# KiCad board KlusterLab r2.0.kicad_pcb (continued)
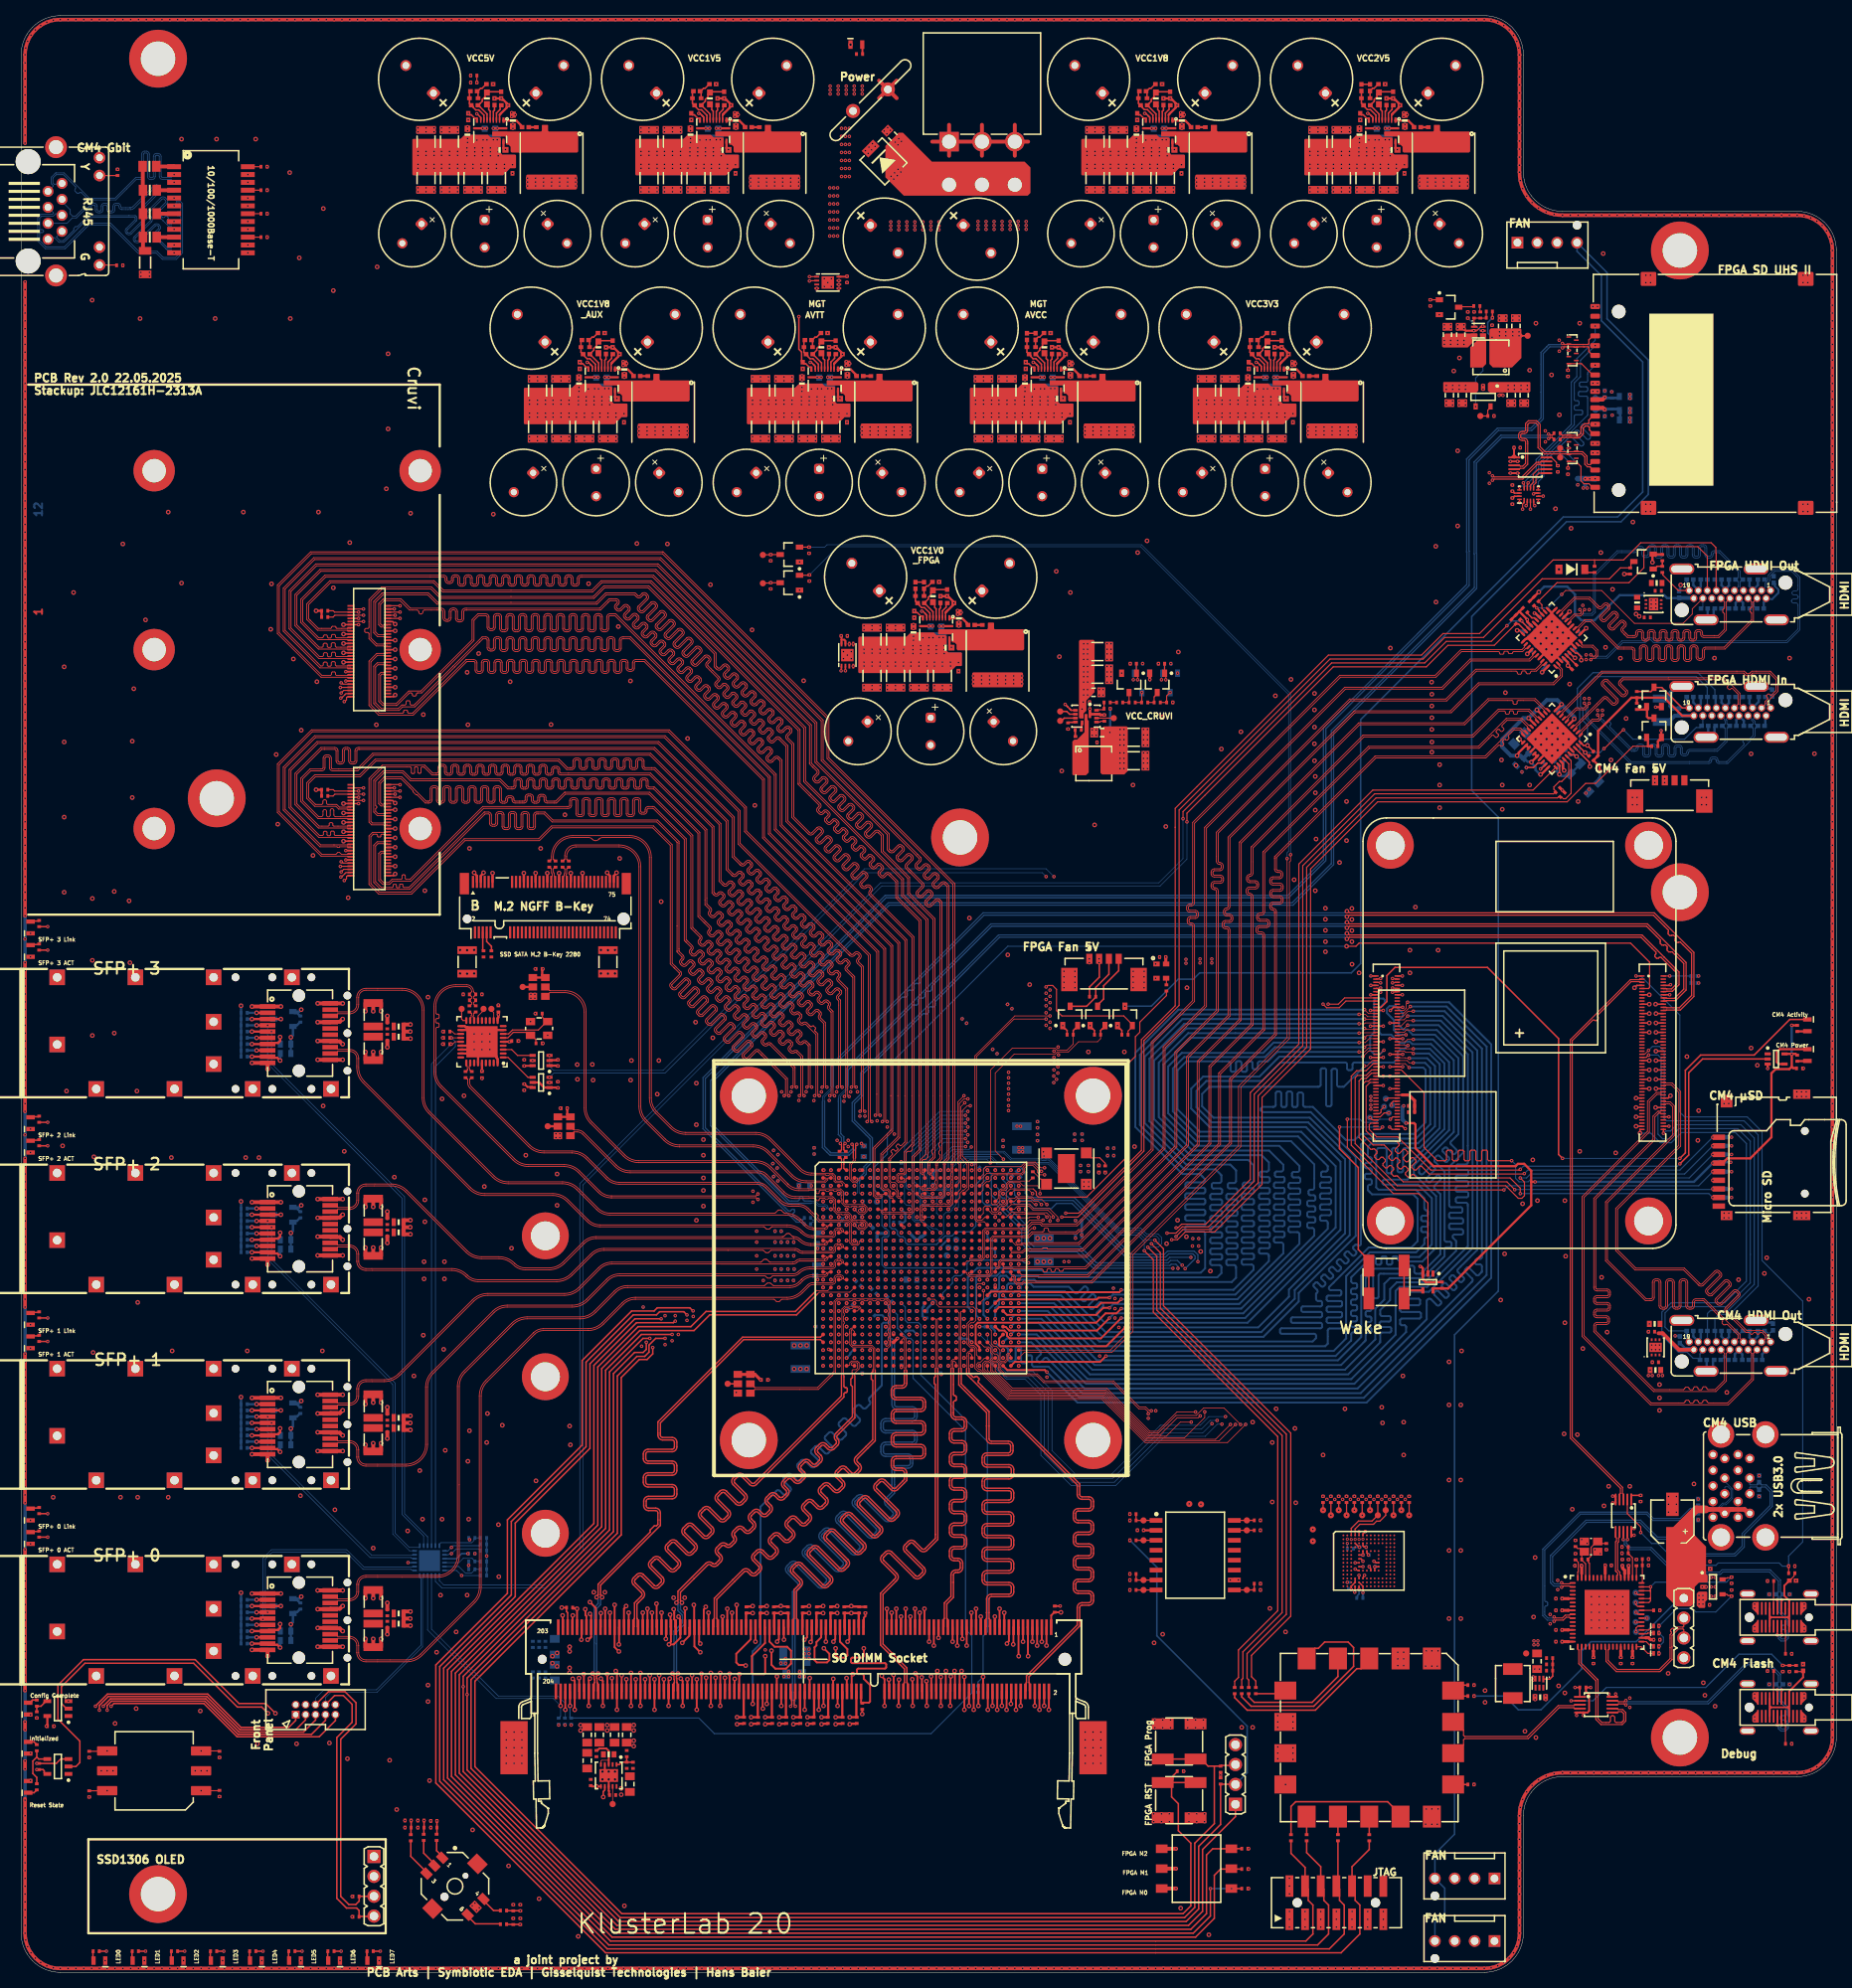
[diagram p0: board, top side]
## Routing (per net, layer and track width the routed paths; a pad name or vN(x,y) marks a point on that pad's centre or on a via; arc(x,y) is an arc through that point) (continued)
CM4_GPIO08: length 121.7
  L1 Top w0.1: v1(171.7,119.4) 172,119.7 J7.39
  L1 Top w0.249: U1.W24 126,84 137.4,84 138.3,84.9 v1(139.1,84.9)
  L12 Bottom w0.249: v1(171.7,119.4) 155.2,119.4 149.41,119.4 146,115.99 146,109.51 149.91,105.6 160.8,105.6 163.38,103.02 163.38,102.51 arc(163.3,102.33) 163.13,102.26 162.63,102.26 arc(162.48,102.2) 162.42,102.05 162.42,101.77 arc(162.48,101.62) 162.63,101.56 163.28,101.56 arc(163.43,101.5) 163.49,101.35 163.49,101.07 arc(163.43,100.93) 163.28,100.86 162.2,100.86 arc(162.05,100.8) 161.99,100.65 161.99,100.37 arc(162.05,100.23) 162.2,100.16 163.28,100.16 arc(163.43,100.1) 163.49,99.95 163.49,99.68 arc(163.43,99.53) 163.28,99.47 162.2,99.47 arc(162.05,99.4) 161.99,99.26 161.99,98.98 arc(162.05,98.83) 162.2,98.77 163.28,98.77 arc(163.43,98.71) 163.49,98.56 163.49,98.28 arc(163.43,98.13) 163.28,98.07 162.2,98.07 arc(162.05,98.01) 161.99,97.86 161.99,97.58 arc(162.05,97.43) 162.2,97.37 163.28,97.37 arc(163.43,97.31) 163.49,97.16 163.49,96.88 arc(163.43,96.73) 163.28,96.67 162.2,96.67 arc(162.05,96.61) 161.99,96.46 161.99,96.18 arc(162.05,96.03) 162.2,95.97 163.28,95.97 arc(163.43,95.91) 163.49,95.76 163.49,95.48 arc(163.43,95.33) 163.28,95.27 162.2,95.27 arc(162.05,95.21) 161.99,95.06 161.99,94.78 arc(162.05,94.63) 162.2,94.57 163.13,94.57 arc(163.3,94.5) 163.38,94.32 163.38,93.08 155.69,85.4 139.6,85.4 v1(139.1,84.9)
CM4_GPIO09: length 120
  L1 Top w0.1: v1(177,119.79) 176.99,119.8 176.48,119.8 176.38,119.7 J7.40
  L12 Bottom w0.249: v1(127.5,83.5) 130.4,83.5 136.9,77 169.2,77 173.07,80.87 173.07,84.8 174.22,85.94 174.22,87.96 174.95,88.69 179.12,88.69 181.93,91.5 181.93,92.4 arc(182,92.57) 182.17,92.64 182.62,92.64 arc(182.76,92.71) 182.83,92.85 182.83,93.13 arc(182.76,93.28) 182.62,93.34 182.17,93.34 arc(182,93.42) 181.93,93.59 181.93,94.3 181.93,102.33 180.65,103.6 180.65,104.05 180.91,104.32 arc(181.09,104.39) 181.27,104.32 181.98,103.6 arc(182.13,103.54) 182.28,103.6 182.47,103.8 arc(182.54,103.95) 182.47,104.1 181.71,104.86 arc(181.65,105) 181.71,105.15 181.91,105.35 arc(182.06,105.41) 182.21,105.35 182.97,104.59 arc(183.12,104.53) 183.26,104.59 183.46,104.79 arc(183.52,104.94) 183.46,105.09 182.75,105.8 arc(182.68,105.97) 182.75,106.15 183.7,107.1 183.7,116.79 180.69,119.8 177.86,119.8 177.2,120.47 176.64,120.47 176.1,121.01 176.1,121.68 176.61,122.19 176.61,122.53 175.68,123.46 174.89,123.46 174.55,123.12 174.55,122.58 175.46,121.66 175.46,120.39 176.05,119.79 176.99,119.79
CM4_GPIO10: length 121.5
  L1 Top w0.1: J7.44 176.9,118.9 177.2,119.2 v1(177.93,119.2)
  L12 Bottom w0.249: v1(126.5,83.5) 127,84 130.8,84 137.2,77.6 168.7,77.6 171.84,80.74 171.84,81.45 arc(171.92,81.62) 172.09,81.7 172.36,81.7 arc(172.51,81.76) 172.57,81.9 172.57,82.18 arc(172.51,82.33) 172.36,82.39 172.04,82.39 arc(171.89,82.46) 171.83,82.6 171.83,82.88 arc(171.89,83.03) 172.04,83.09 172.36,83.09 arc(172.51,83.15) 172.57,83.3 172.57,83.58 arc(172.51,83.73) 172.36,83.79 172.04,83.79 arc(171.89,83.85) 171.83,84 171.83,84.28 arc(171.89,84.43) 172.04,84.49 172.36,84.49 arc(172.51,84.55) 172.57,84.7 172.57,84.98 arc(172.51,85.13) 172.36,85.19 172.09,85.19 arc(171.92,85.26) 171.84,85.44 171.84,88.72 172.39,89.26 172.54,89.26 arc(172.71,89.19) 172.79,89.01 172.79,86.33 arc(172.85,86.18) 173,86.12 173.28,86.12 arc(173.42,86.18) 173.49,86.33 173.49,89.01 arc(173.56,89.19) 173.73,89.26 177.11,89.26 arc(177.29,89.34) 177.36,89.51 177.36,90.08 arc(177.42,90.22) 177.57,90.29 177.85,90.29 arc(178,90.22) 178.06,90.08 178.06,89.51 arc(178.13,89.34) 178.31,89.26 178.9,89.26 181.39,91.75 181.39,99.44 180.65,100.17 arc(180.58,100.35) 180.65,100.52 181.43,101.3 arc(181.49,101.45) 181.43,101.59 181.23,101.79 arc(181.08,101.85) 180.93,101.79 180.12,100.98 arc(179.97,100.92) 179.82,100.98 179.63,101.18 arc(179.56,101.32) 179.63,101.47 180.67,102.52 arc(180.73,102.67) 180.67,102.82 180.47,103.01 arc(180.33,103.08) 180.18,103.01 179.17,102 arc(178.99,101.93) 178.82,102 178.67,102.15 178.67,102.93 183.1,107.36 183.1,116.54 180.44,119.2 177.93,119.2
CM4_GPIO11: length 119.3
  L1 Top w0.1: J7.38 176.75,120.1 177.05,120.4 v1(177.93,120.4)
  L12 Bottom w0.249: 173.7,84.6 173.7,84.1 arc(173.77,83.92) 173.95,83.85 174.83,83.85 arc(174.98,83.79) 175.04,83.64 175.04,83.36 arc(174.98,83.21) 174.83,83.15 173.82,83.15 arc(173.67,83.09) 173.61,82.94 173.61,82.66 arc(173.67,82.51) 173.82,82.45 174.91,82.45 arc(175.05,82.39) 175.12,82.24 175.12,81.96 arc(175.05,81.81) 174.91,81.75 173.95,81.75 arc(173.77,81.68) 173.7,81.5 173.7,80.5 169.6,76.4 136.6,76.4 130,83 127,83 v1(126.5,82.5) ; 173.7,84.62 174.97,85.88 174.97,87.3 175.83,88.16 179.38,88.16 183.4,92.18 183.4,93.45 183.02,93.84 arc(182.96,94.11) 183.19,94.26 184.09,94.26 arc(184.23,94.32) 184.3,94.47 184.3,94.75 arc(184.23,94.9) 184.09,94.96 182.72,94.96 arc(182.57,95.02) 182.51,95.17 182.51,95.45 arc(182.57,95.6) 182.72,95.66 184.09,95.66 arc(184.23,95.72) 184.3,95.87 184.3,96.15 arc(184.23,96.3) 184.09,96.36 182.72,96.36 arc(182.57,96.42) 182.51,96.57 182.51,96.85 arc(182.57,96.99) 182.72,97.06 184,97.06 arc(184.15,97.12) 184.21,97.27 184.21,97.55 arc(184.15,97.69) 184,97.76 182.77,97.76 arc(182.59,97.83) 182.52,98 182.52,102.93 184.3,104.71 184.3,117.04 180.94,120.4 177.93,120.4
CM4_GPIO12: length 125
  L1 Top w0.1: J7.31 171.8,121.3 171.7,121.2 v1(171,121.2)
  L1 Top w0.249: U1.U22 123.97,86.97 127.7,86.97 127.77,86.9 140.35,86.9 140.6,87.15 v1(140.6,87.2)
  L12 Bottom w0.249: v1(171,121.2) 155.2,121.2 148.66,121.2 144.2,116.74 144.2,108.76 149.16,103.8 156.83,103.8 157.51,103.11 157.51,101.15 arc(157.44,100.98) 157.26,100.91 156.34,100.91 arc(156.2,100.84) 156.13,100.7 156.13,100.42 arc(156.2,100.27) 156.34,100.21 157.36,100.21 arc(157.51,100.15) 157.57,100 157.57,99.72 arc(157.51,99.57) 157.36,99.51 156.22,99.51 arc(156.07,99.45) 156.01,99.3 156.01,99.02 arc(156.07,98.87) 156.22,98.81 157.36,98.81 arc(157.51,98.75) 157.57,98.6 157.57,98.32 arc(157.51,98.17) 157.36,98.11 156.22,98.11 arc(156.07,98.05) 156.01,97.9 156.01,97.62 arc(156.07,97.47) 156.22,97.41 157.36,97.41 arc(157.51,97.35) 157.57,97.2 157.57,96.92 arc(157.51,96.77) 157.36,96.71 156.22,96.71 arc(156.07,96.65) 156.01,96.5 156.01,96.22 arc(156.07,96.07) 156.22,96.01 157.36,96.01 arc(157.51,95.95) 157.57,95.8 157.57,95.52 arc(157.51,95.37) 157.36,95.31 156.22,95.31 arc(156.07,95.25) 156.01,95.1 156.01,94.82 arc(156.07,94.68) 156.22,94.61 157.36,94.61 arc(157.51,94.55) 157.57,94.4 157.57,94.13 arc(157.51,93.98) 157.36,93.92 156.22,93.92 arc(156.07,93.85) 156.01,93.71 156.01,93.43 arc(156.07,93.28) 156.22,93.22 157.36,93.22 arc(157.51,93.16) 157.57,93.01 157.57,92.73 arc(157.51,92.58) 157.36,92.52 156.22,92.52 arc(156.07,92.46) 156.01,92.31 156.01,92.03 arc(156.07,91.88) 156.22,91.82 157.36,91.82 arc(157.51,91.76) 157.57,91.61 157.57,91.33 arc(157.51,91.18) 157.36,91.12 156.22,91.12 arc(156.07,91.06) 156.01,90.91 156.01,90.63 arc(156.07,90.48) 156.22,90.42 157.26,90.42 arc(157.44,90.35) 157.51,90.17 157.51,89.77 154.95,87.2 v1(140.6,87.2)
CM4_GPIO13: length 116.2
  L1 Top w0.1: J7.28 176.57,122.1 177.27,122.8 v1(177.93,122.8)
  L12 Bottom w0.249: 177.93,122.8 181.93,122.8 186.7,118.03 186.7,91.39 arc(186.63,91.21) 186.45,91.14 186.06,91.14 arc(185.91,91.08) 185.85,90.93 185.85,90.65 arc(185.91,90.5) 186.06,90.44 186.45,90.44 arc(186.63,90.37) 186.7,90.19 186.7,89.5 186.31,89.11 arc(186.13,89.04) 185.96,89.11 185.06,90.01 arc(184.91,90.07) 184.76,90.01 184.56,89.81 arc(184.5,89.67) 184.56,89.52 185.46,88.62 arc(185.54,88.44) 185.46,88.26 185.38,88.18 171.2,74 135.6,74 131.14,78.46 arc(130.97,78.53) 130.79,78.46 130.33,77.99 arc(130.18,77.93) 130.03,77.99 129.83,78.19 arc(129.77,78.34) 129.83,78.49 130.3,78.95 arc(130.37,79.13) 130.3,79.3 129.1,80.5 v1(127.5,80.5)
CM4_GPIO14: length 122
  L1 Top w0.1: J7.55 172.7,116.5 172.02,115.82 171.72,115.82 v1(171.7,115.8)
  L12 Bottom w0.249: v1(126.5,86.5) 127,87 133.4,87 138.6,81.8 158.5,81.8 162.78,86.07 162.78,87.16 169.81,94.19 169.81,104.09 164.7,109.2 152.4,109.2 150.94,110.66 150.94,112.23 151.86,113.15 165.84,113.15 arc(166.01,113.22) 166.09,113.4 166.09,115.3 arc(166.15,115.45) 166.3,115.51 166.58,115.51 arc(166.72,115.45) 166.79,115.3 166.79,110.87 arc(166.85,110.72) 166.99,110.66 167.27,110.66 arc(167.42,110.72) 167.48,110.87 167.48,115.23 arc(167.55,115.38) 167.69,115.44 167.97,115.44 arc(168.12,115.38) 168.18,115.23 168.18,113.4 arc(168.26,113.22) 168.43,113.15 169.05,113.15 v1(171.7,115.8)
CM4_GPIO15: length 119.9
  L1 Top w0.1: v1(174.18,117.82) 173.65,117.3 J7.51
  L12 Bottom w0.249: v1(127.5,84.5) 131.2,84.5 137.5,78.2 168.3,78.2 171.28,81.18 171.28,89.01 172.17,89.91 176.32,89.91 177.22,90.81 179.08,90.81 180.84,92.57 180.84,99.18 178,102.03 178,103.11 182.5,107.61 182.5,116.29 180.19,118.6 177.8,118.6 177.48,118.93 176.98,118.93 176.78,118.73 176.17,118.73 175.09,119.81 173.85,119.81 173.6,120.06 173.6,123.2 174.28,123.88 174.28,124.25 174.12,124.41 173.12,124.41 172.92,124.22 172.92,120.06 172.41,119.55 172.41,117.84 172.95,117.3 173.65,117.3 v1(174.18,117.82)
CM4_GPIO16: length 124.8
  L1 Top w0.1: 173.1,121.75 J7.29 ; 173.1,121.75 173.15,121.75 ; 173.1,121.75 171.75,121.75 v1(171.7,121.8)
  L12 Bottom w0.249: v1(171.7,121.8) 148.41,121.8 143.6,116.99 143.6,108.51 148.91,103.2 154.55,103.2 155.28,102.48 155.28,101.1 arc(155.2,100.93) 155.03,100.85 154.44,100.85 arc(154.29,100.79) 154.23,100.64 154.23,100.36 arc(154.29,100.22) 154.44,100.15 155.24,100.15 arc(155.39,100.09) 155.45,99.94 155.45,99.66 arc(155.39,99.52) 155.24,99.45 154.24,99.45 arc(154.1,99.39) 154.03,99.25 154.03,98.97 arc(154.1,98.82) 154.24,98.76 155.24,98.76 arc(155.39,98.69) 155.45,98.55 155.45,98.27 arc(155.39,98.12) 155.24,98.06 154.24,98.06 arc(154.1,98) 154.03,97.85 154.03,97.57 arc(154.1,97.42) 154.24,97.36 155.24,97.36 arc(155.39,97.3) 155.45,97.15 155.45,96.87 arc(155.39,96.72) 155.24,96.66 154.24,96.66 arc(154.1,96.6) 154.03,96.45 154.03,96.17 arc(154.1,96.02) 154.24,95.96 155.24,95.96 arc(155.39,95.9) 155.45,95.75 155.45,95.47 arc(155.39,95.32) 155.24,95.26 154.24,95.26 arc(154.1,95.2) 154.03,95.05 154.03,94.77 arc(154.1,94.62) 154.24,94.56 155.24,94.56 arc(155.39,94.5) 155.45,94.35 155.45,94.07 arc(155.39,93.92) 155.24,93.86 154.24,93.86 arc(154.1,93.8) 154.03,93.65 154.03,93.37 arc(154.1,93.23) 154.24,93.16 155.24,93.16 arc(155.39,93.1) 155.45,92.95 155.45,92.67 arc(155.39,92.53) 155.24,92.46 154.24,92.46 arc(154.1,92.4) 154.03,92.26 154.03,91.98 arc(154.1,91.83) 154.24,91.77 155.24,91.77 arc(155.39,91.7) 155.45,91.56 155.45,91.28 arc(155.39,91.13) 155.24,91.07 154.24,91.07 arc(154.1,91.01) 154.03,90.86 154.03,90.58 arc(154.1,90.43) 154.24,90.37 155.03,90.37 arc(155.2,90.29) 155.28,90.12 155.28,88.75 154.73,88.2 129.8,88.2 129.5,88.5 126.4,88.5 125.9,89 125.2,89 125,88.8 125,87.4 124.7,87.1 124,87.1 123.8,86.9 123.8,86.4 123.5,86.1 123.3,86.1 123,85.8 123,84 v1(123.5,83.5)
CM4_GPIO17: length 121.8
  L1 Top w0.1: J7.50 176.8,117.7 176.95,117.55 177.7,117.55 177.85,117.4 v1(177.93,117.4)
  L12 Bottom w0.249: 177.93,117.4 179.94,117.4 181.3,116.05 181.3,107.85 178.77,105.32 176.86,105.32 arc(176.69,105.25) 176.62,105.07 176.62,102.43 arc(176.55,102.28) 176.41,102.22 176.13,102.22 arc(175.98,102.28) 175.92,102.43 175.92,105.12 arc(175.85,105.27) 175.71,105.33 175.43,105.33 arc(175.28,105.27) 175.22,105.12 175.22,102.3 arc(175.16,102.15) 175.01,102.09 174.73,102.09 arc(174.58,102.15) 174.52,102.3 174.52,105.07 arc(174.45,105.25) 174.27,105.32 173.46,105.32 173.19,105.05 173.19,100.29 173.48,100 178.25,100 179.34,98.91 179.34,97.62 arc(179.41,97.45) 179.59,97.37 arc(179.74,97.31) 179.8,97.16 179.8,96.88 arc(179.74,96.74) 179.59,96.67 179.15,96.67 arc(179,96.61) 178.94,96.46 178.94,96.19 arc(179,96.04) 179.15,95.98 179.59,95.98 arc(179.74,95.91) 179.8,95.77 179.8,95.49 arc(179.74,95.34) 179.59,95.28 179.15,95.28 arc(179,95.21) 178.94,95.07 178.94,94.79 arc(179,94.64) 179.15,94.58 179.59,94.58 arc(179.74,94.52) 179.8,94.37 179.8,94.09 arc(179.74,93.94) 179.59,93.88 arc(179.41,93.81) 179.34,93.63 179.34,93.05 178.29,92 172.39,92 169.35,88.96 169.35,81 167.75,79.4 137.2,79.4 131.6,85 127,85 v1(126.5,84.5)
CM4_GPIO18: length 121.7
  L1 Top w0.1: J7.49 172.2,117.7 v1(171.5,117)
  L12 Bottom w0.249: v1(171.5,117) 160.82,117 158.26,114.44 151.07,114.44 149.54,112.91 149.54,110.37 151.9,108 164.2,108 168.61,103.59 168.61,94.86 156.75,83 138.5,83 137.51,83.99 arc(137.44,84.16) 137.51,84.34 138.25,85.08 arc(138.31,85.23) 138.25,85.38 138.05,85.57 arc(137.91,85.63) 137.76,85.57 136.99,84.8 arc(136.84,84.74) 136.69,84.8 136.49,85 arc(136.43,85.15) 136.49,85.3 137.3,86.11 arc(137.36,86.25) 137.3,86.4 137.1,86.6 arc(136.96,86.66) 136.81,86.6 136,85.79 arc(135.85,85.73) 135.7,85.79 135.5,85.99 arc(135.44,86.14) 135.5,86.28 136.31,87.09 arc(136.38,87.24) 136.31,87.39 136.12,87.59 arc(135.97,87.65) 135.82,87.59 135.04,86.81 arc(134.87,86.74) 134.69,86.81 133.9,87.6 129.4,87.6 129,88 126.2,88 126,87.8 126,87.3 125.7,87 125.3,87 125,86.7 125,85.38 124.5,84.88 v1(124.5,83.5)
CM4_GPIO19: length 121.5
  L1 Top w0.1: J7.26 176.65,122.5 177.55,123.4
  L12 Bottom w0.249: v1(177.55,123.4) 177.55,123.4 182.18,123.4 187.3,118.28 187.3,89.1 171.6,73.4 135.3,73.4 131.31,77.39 129.45,77.39 arc(129.28,77.46) 129.2,77.64 129.2,78.63 arc(129.14,78.78) 128.99,78.84 128.71,78.84 arc(128.57,78.78) 128.5,78.63 128.5,78.04 arc(128.44,77.89) 128.29,77.83 128.01,77.83 arc(127.87,77.89) 127.81,78.04 127.81,79.72 arc(127.74,79.87) 127.6,79.93 127.32,79.93 arc(127.17,79.87) 127.11,79.72 127.11,78.32 arc(127.03,78.14) 126.86,78.07 126.33,78.07 126.15,78.26 126.15,79.63 125.78,80 125,80 v1(124.5,80.5)
CM4_GPIO20: length 125.5
  L1 Top w0.1: J7.27 173.15,122.1 172.1,122.1 171.8,122.4 v1(171,122.4)
  L12 Bottom w0.249: v1(122.5,83.5) 122.05,83.95 122.05,88.85 122.2,89 124.71,89 125.21,89.5 126.2,89.5 126.7,89 129.9,89 130.1,88.8 152.88,88.8 153.4,89.33 153.4,90.12 arc(153.33,90.3) 153.15,90.37 152.19,90.37 arc(152.04,90.43) 151.98,90.58 151.98,90.86 arc(152.04,91.01) 152.19,91.07 153.29,91.07 arc(153.44,91.13) 153.5,91.28 153.5,91.56 arc(153.44,91.71) 153.29,91.77 152.19,91.77 arc(152.04,91.83) 151.98,91.98 151.98,92.26 arc(152.04,92.4) 152.19,92.47 153.29,92.47 arc(153.44,92.53) 153.5,92.68 153.5,92.95 arc(153.44,93.1) 153.29,93.16 152.19,93.16 arc(152.04,93.23) 151.98,93.37 151.98,93.65 arc(152.04,93.8) 152.19,93.86 153.29,93.86 arc(153.44,93.92) 153.5,94.07 153.5,94.35 arc(153.44,94.5) 153.29,94.56 152.19,94.56 arc(152.04,94.62) 151.98,94.77 151.98,95.05 arc(152.04,95.2) 152.19,95.26 153.29,95.26 arc(153.44,95.32) 153.5,95.47 153.5,95.75 arc(153.44,95.9) 153.29,95.96 152.19,95.96 arc(152.04,96.02) 151.98,96.17 151.98,96.45 arc(152.04,96.6) 152.19,96.66 153.29,96.66 arc(153.44,96.72) 153.5,96.87 153.5,97.15 arc(153.44,97.3) 153.29,97.36 152.19,97.36 arc(152.04,97.42) 151.98,97.57 151.98,97.85 arc(152.04,98) 152.19,98.06 153.29,98.06 arc(153.44,98.12) 153.5,98.27 153.5,98.55 arc(153.44,98.69) 153.29,98.76 152.19,98.76 arc(152.04,98.82) 151.98,98.97 151.98,99.25 arc(152.04,99.39) 152.19,99.46 153.29,99.46 arc(153.44,99.52) 153.5,99.67 153.5,99.94 arc(153.44,100.09) 153.29,100.15 152.39,100.15 arc(152.24,100.22) 152.18,100.36 152.18,100.64 arc(152.24,100.79) 152.39,100.85 153.15,100.85 arc(153.33,100.93) 153.4,101.1 153.4,101.85 152.65,102.6 148.67,102.6 143,108.27 143,117.23 148.17,122.4 155.2,122.4 v1(171,122.4)
CM4_GPIO21: length 125.2
  L1 Top w0.1: J7.25 172.2,122.5 v1(171.7,123)
  L12 Bottom w0.249: v1(121.5,84.5) 121,85 121,88.8 122.2,90 126.65,90 126.95,89.7 130.5,89.7 130.8,89.4 150.78,89.4 151.32,89.94 151.32,94.39 arc(151.25,94.57) 151.07,94.64 149,94.64 arc(148.85,94.7) 148.79,94.85 148.79,95.13 arc(148.85,95.28) 149,95.34 151.14,95.34 arc(151.28,95.4) 151.34,95.55 151.34,95.83 arc(151.28,95.98) 151.14,96.04 149,96.04 arc(148.85,96.1) 148.79,96.25 148.79,96.53 arc(148.85,96.68) 149,96.74 151.14,96.74 arc(151.28,96.8) 151.34,96.95 151.34,97.23 arc(151.28,97.38) 151.14,97.44 149,97.44 arc(148.85,97.5) 148.79,97.65 148.79,97.93 arc(148.85,98.07) 149,98.14 151.14,98.14 arc(151.28,98.2) 151.34,98.35 151.34,98.62 arc(151.28,98.77) 151.14,98.83 149,98.83 arc(148.85,98.9) 148.79,99.04 148.79,99.32 arc(148.85,99.47) 149,99.53 151.14,99.53 arc(151.28,99.6) 151.34,99.74 151.34,100.02 arc(151.28,100.17) 151.14,100.23 149.02,100.23 arc(148.87,100.29) 148.81,100.44 148.81,100.72 arc(148.87,100.87) 149.02,100.93 151.07,100.93 arc(151.25,101) 151.32,101.18 151.32,101.33 150.65,102 148.42,102 142.4,108.02 142.4,117.48 147.92,123 v1(171.7,123)
CM4_GPIO22: length 118.5
  L1 Top w0.1: v1(177.24,118.42) 176.89,118.42 176.81,118.5 J7.46
  L1 Top w0.249: U1.AB24 125,81 125,80.15 125.15,80 138.7,80 v1(141.1,82.4)
  L12 Bottom w0.249: v1(177.24,118.42) 176.79,117.98 176.33,117.98 175.93,117.58 175.93,116.75 175.43,116.25 170.41,116.25 arc(170.23,116.18) 170.16,116 170.16,115.48 arc(170.1,115.34) 169.95,115.27 169.67,115.27 arc(169.52,115.34) 169.46,115.48 169.46,116 arc(169.39,116.18) 169.21,116.25 160.95,116.25 158.6,113.89 151.49,113.89 150.23,112.63 150.23,110.52 152.15,108.6 164.5,108.6 169.21,103.89 169.21,94.42 162.04,87.25 162.04,86.34 158.1,82.4 v1(141.1,82.4)
CM4_GPIO23: length 119.1
  L1 Top w0.1: J7.47 172.2,118.1 171.7,117.6 v1(171,117.6)
  L1 Top w0.249: U1.AA23 125,82 125.67,82 126,81.67 126,81.33 126.33,81 138,81 v1(140.6,83.6)
  L12 Bottom w0.249: v1(171,117.6) 160.53,117.6 159.33,116.4 158.31,116.4 arc(158.14,116.33) 158.07,116.15 158.07,115.6 arc(158,115.45) 157.86,115.39 157.58,115.39 arc(157.43,115.45) 157.37,115.6 157.37,116.2 arc(157.31,116.35) 157.16,116.41 156.88,116.41 arc(156.73,116.35) 156.67,116.2 156.67,115.28 arc(156.61,115.13) 156.46,115.07 156.18,115.07 arc(156.03,115.13) 155.97,115.28 155.97,116.2 arc(155.91,116.35) 155.76,116.41 155.48,116.41 arc(155.33,116.35) 155.27,116.2 155.27,115.28 arc(155.21,115.13) 155.06,115.07 154.78,115.07 arc(154.63,115.13) 154.57,115.28 154.57,116.15 arc(154.5,116.33) 154.32,116.4 148.95,116.4 147.8,115.25 147.8,110.25 150.65,107.4 163.6,107.4 168,103 168,95.16 156.44,83.6 v1(140.6,83.6)
CM4_GPIO24: length 121.6
  L1 Top w0.1: v1(171.7,118.2) 172,118.5 J7.45
  L1 Top w0.249: v1(139.1,83.6) 137.5,82 126.3,82 125.85,82.45 125.55,82.45 U1.AA24
  L12 Bottom w0.249: v1(171.7,118.2) 160.23,118.2 158.98,116.95 148.66,116.95 147.2,115.49 147.2,110.01 150.41,106.8 163.2,106.8 167,103 167,102.57 arc(166.93,102.4) 166.75,102.32 166.36,102.32 arc(166.21,102.26) 166.15,102.11 166.15,101.83 arc(166.21,101.68) 166.36,101.62 167.21,101.62 arc(167.36,101.56) 167.42,101.41 167.42,101.13 arc(167.36,100.99) 167.21,100.92 166.22,100.92 arc(166.07,100.86) 166.01,100.71 166.01,100.44 arc(166.07,100.29) 166.22,100.23 167.21,100.23 arc(167.36,100.16) 167.42,100.02 167.42,99.74 arc(167.36,99.59) 167.21,99.53 166.22,99.53 arc(166.07,99.46) 166.01,99.32 166.01,99.04 arc(166.07,98.89) 166.22,98.83 167.21,98.83 arc(167.36,98.77) 167.42,98.62 167.42,98.34 arc(167.36,98.19) 167.21,98.13 166.22,98.13 arc(166.07,98.07) 166.01,97.92 166.01,97.64 arc(166.07,97.49) 166.22,97.43 167.21,97.43 arc(167.36,97.37) 167.42,97.22 167.42,96.94 arc(167.36,96.79) 167.21,96.73 166.22,96.73 arc(166.07,96.67) 166.01,96.52 166.01,96.24 arc(166.07,96.09) 166.22,96.03 166.75,96.03 arc(166.93,95.96) 167,95.78 167,95.01 156.19,84.2 139.7,84.2 v1(139.1,83.6)
CM4_GPIO25: length 122.1
  L1 Top w0.1: v1(171,118.8) 171.8,118.8 172.3,119.3 J7.41
  L1 Top w0.249: v1(140.6,84.8) 140,84.2 138.6,84.2 137.4,83 122.28,83 122,82.73 122,80.33 122.47,79.86 122.47,79.53 U1.AD21
  L12 Bottom w0.249: v1(140.6,84.8) 155.94,84.8 165.27,94.13 165.27,94.85 arc(165.2,95.03) 165.02,95.1 164.59,95.1 arc(164.44,95.16) 164.38,95.31 164.38,95.59 arc(164.44,95.74) 164.59,95.8 165.21,95.8 arc(165.35,95.86) 165.42,96.01 165.42,96.29 arc(165.35,96.44) 165.21,96.5 164.59,96.5 arc(164.44,96.56) 164.38,96.71 164.38,96.99 arc(164.44,97.13) 164.59,97.2 165.21,97.2 arc(165.35,97.26) 165.42,97.41 165.42,97.68 arc(165.35,97.83) 165.21,97.89 164.59,97.89 arc(164.44,97.96) 164.38,98.1 164.38,98.38 arc(164.44,98.53) 164.59,98.59 165.21,98.59 arc(165.35,98.65) 165.42,98.8 165.42,99.08 arc(165.35,99.23) 165.21,99.29 164.76,99.29 arc(164.61,99.35) 164.55,99.5 164.55,99.78 arc(164.61,99.93) 164.76,99.99 165.02,99.99 arc(165.2,100.06) 165.27,100.24 165.27,103.23 162.3,106.2 150.16,106.2 146.6,109.76 146.6,115.74 148.33,117.48 158.75,117.48 160.08,118.8 v1(171,118.8)
CM4_GPIO26: length 115.8
  L1 Top w0.1: J7.24 176.72,122.9 177.02,123.2 177.02,123.72 177.2,123.89 v1(177.2,123.95)
  L1 Top w0.249: U1.AF24 126.04,76.96 130.84,76.96 131.1,76.7
  L12 Bottom w0.249: 131.1,76.7 135,72.8 171.96,72.8 187.89,88.73 187.89,118.56 182.5,123.95 v1(177.2,123.95)
  vias: v1(131.1,76.7)
CM4_GPIO27: length 115.1
  L1 Top w0.1: v1(177.93,118) 177.93,118 177.05,118 176.95,118.1 J7.48
  L1 Top w0.249: v1(138.65,78.75) 137.9,78 127,78 U1.AF25
  L12 Bottom w0.249: v1(138.65,78.75) 168,78.75 169.99,80.74 169.99,81.52 arc(170.07,81.69) 170.24,81.76 170.54,81.76 arc(170.69,81.83) 170.75,81.97 170.75,82.25 arc(170.69,82.4) 170.54,82.46 170.18,82.46 arc(170.03,82.52) 169.97,82.67 169.97,82.95 arc(170.03,83.1) 170.18,83.16 170.54,83.16 arc(170.69,83.22) 170.75,83.37 170.75,83.65 arc(170.69,83.8) 170.54,83.86 170.18,83.86 arc(170.03,83.92) 169.97,84.07 169.97,84.35 arc(170.03,84.5) 170.18,84.56 170.54,84.56 arc(170.69,84.62) 170.75,84.77 170.75,85.05 arc(170.69,85.2) 170.54,85.26 170.18,85.26 arc(170.03,85.32) 169.97,85.47 169.97,85.75 arc(170.03,85.9) 170.18,85.96 170.54,85.96 arc(170.69,86.02) 170.75,86.17 170.75,86.45 arc(170.69,86.6) 170.54,86.66 170.18,86.66 arc(170.03,86.72) 169.97,86.87 169.97,87.15 arc(170.03,87.3) 170.18,87.36 170.54,87.36 arc(170.69,87.42) 170.75,87.57 170.75,87.85 arc(170.69,87.99) 170.54,88.06 170.24,88.06 arc(170.07,88.13) 169.99,88.3 169.99,88.79 172.6,91.4 172.89,91.4 arc(173.07,91.33) 173.14,91.15 173.14,90.63 arc(173.2,90.48) 173.35,90.42 173.63,90.42 arc(173.78,90.48) 173.84,90.63 173.84,91.27 arc(173.9,91.42) 174.05,91.48 174.33,91.48 arc(174.48,91.42) 174.54,91.27 174.54,90.63 arc(174.6,90.48) 174.75,90.42 175.03,90.42 arc(175.18,90.48) 175.24,90.63 175.24,91.27 arc(175.3,91.42) 175.45,91.48 175.73,91.48 arc(175.87,91.42) 175.94,91.27 175.94,91.15 arc(176,91) 176.15,90.94 176.43,90.94 arc(176.57,91) 176.64,91.15 arc(176.71,91.33) 176.88,91.4 178.71,91.4 180.3,92.99 180.3,98.9 178.55,100.65 174.14,100.65 174,100.8 174,101.12 174.15,101.28 177.16,101.28 177.5,101.62 177.5,103.35 181.9,107.75 181.9,116.15 180.05,118 v1(177.93,118)
CM4_OTG_ID: length 117.5
  L1 Top w0.15: v1(206.4,127.3) J8.101 ; R134.2 R135.2 ; 207,56.2 207,56.9 205.28,58.62 205.28,60.41 U10.2
  L12 Bottom w0.15: v1(207,56.2) 208.39,54.8 209.2,54.8 211.35,52.65 214.05,52.65 214.7,52 216.6,52 216.9,52.3 224.7,52.3 225.1,51.9 v1(225.9,51.9) 225.9,53.2 227.7,55 227.7,85.75 222.5,90.95 222.5,107.4 220.6,109.3 212.6,109.3 212,109.9 212,122.3 207,127.3 v1(206.4,127.3)
CM4_USB_N: length 73.8
  L1 Top w0.146: J8.103 206.9,126.9 206.82,126.82 205.67,126.82 198,119.15 198,68.25 204.4,61.85 204.4,61.2 204.29,61.08 U10.4
CM4_USB_P: length 73.8
  L1 Top w0.146: J8.105 206.9,126.5 206.82,126.58 205.78,126.58 201.51,122.31 201.51,122.1 201.57,122.03 201.57,121.82 201.36,121.61 201.15,121.61 201.08,121.67 200.87,121.67 198.25,119.05 198.25,68.39 204.67,61.96 204.67,61.2 204.79,61.08 U10.3
CM4_USB_US_N: length 6.1
  L1 Top w0.146: U10.6 203.79,55.62 203.9,55.5 203.9,55.14 203.78,55.01 203.78,51.29 204.06,51 204.06,50.81 203.95,50.7 U7.54
CM4_USB_US_P: length 6.1
  L1 Top w0.146: U7.53 204.45,50.7 204.34,50.81 204.34,51.11 204.05,51.4 204.05,54.9 204.17,55.02 204.17,55.5 204.29,55.62 U10.7
CM4_µSD_CLK: length 62.9
  L1 Top w0.15: J7.57 173.12,116.07 172.77,116.07 171.9,115.2 170.7,115.2 170,114.5 170,105.68 175.72,99.97 v1(189.51,99.97)
  L12 Bottom w0.15: v1(189.51,99.97) 190.04,100.5 214.4,100.5 v1(216.2,102.3) J12.5
CM4_µSD_CMD: length 63
  L1 Top w0.15: J7.62 176.4,115.3 179.3,112.4 179.3,105.4 181,103.7 182.02,103.7 182.17,103.85 182.17,104.89 182.32,105.04 182.77,105.04 182.92,104.89 182.92,103.84 183.07,103.69 183.52,103.69 183.67,103.84 183.67,104.89 183.82,105.04 184.27,105.04 184.42,104.89 184.42,103.84 184.57,103.69 185.02,103.69 185.17,103.84 185.17,104.89 185.32,105.04 185.77,105.04 185.92,104.89 185.92,103.84 186.07,103.69 186.52,103.69 186.67,103.84 186.67,104.89 186.82,105.04 187.27,105.04 187.42,104.89 187.42,103.85 187.57,103.7 v1(190.5,103.7)
  L12 Bottom w0.15: v1(190.5,103.7) 191,103.2 191,101.45 191.45,101 192.61,101 193.11,101.5 213.2,101.5 v1(216.2,104.5) J12.3
CM4_µSD_DAT0: length 61.7
  L1 Top w0.15: v1(190.9,100) 189.9,101 176.65,101 175.89,101.76 175.68,101.76 175.64,101.73 175.43,101.73 175.11,102.05 175.11,102.26 175.41,102.56 175.41,102.77 175.09,103.09 174.88,103.09 174.58,102.79 174.37,102.79 174.05,103.11 174.05,103.32 174.35,103.62 174.35,103.83 174.03,104.15 173.82,104.15 173.52,103.85 173.31,103.85 172.99,104.17 172.99,104.38 173.29,104.68 173.29,104.89 172.97,105.21 172.76,105.21 172.71,105.16 172.49,105.16 171,106.65 171,113.9 171.3,114.2 171.9,114.2 172.57,114.87 173.13,114.87 J7.63
  L12 Bottom w0.15: v1(190.9,100) 190.93,100.02 ; 190.93,100.02 216.13,100.02 v1(216.2,100.1) J12.7 ; 190.93,100.02 190.9,100.02
CM4_µSD_DAT1: length 61.1
  L1 Top w0.15: J7.67 172.45,114.1 172.2,113.85 171.85,113.85 171.5,113.5 171.5,107 172.79,105.71 174.21,105.71 175.13,104.79 175.13,104.58 174.81,104.26 174.81,104.05 175.12,103.73 175.34,103.73 175.66,104.05 175.87,104.05 176.19,103.73 176.19,103.52 175.87,103.2 175.87,102.99 176.18,102.67 176.4,102.67 176.72,102.99 176.93,102.99 177.25,102.67 177.25,102.46 176.93,102.14 176.93,101.92 177.25,101.61 177.46,101.61 177.78,101.93 177.99,101.93 178.42,101.5 190.3,101.5 191.6,100.2 v1(191.6,99.5)